# Altium PCB MotherBoard.PcbDoc (part 8 of 10) (continued)
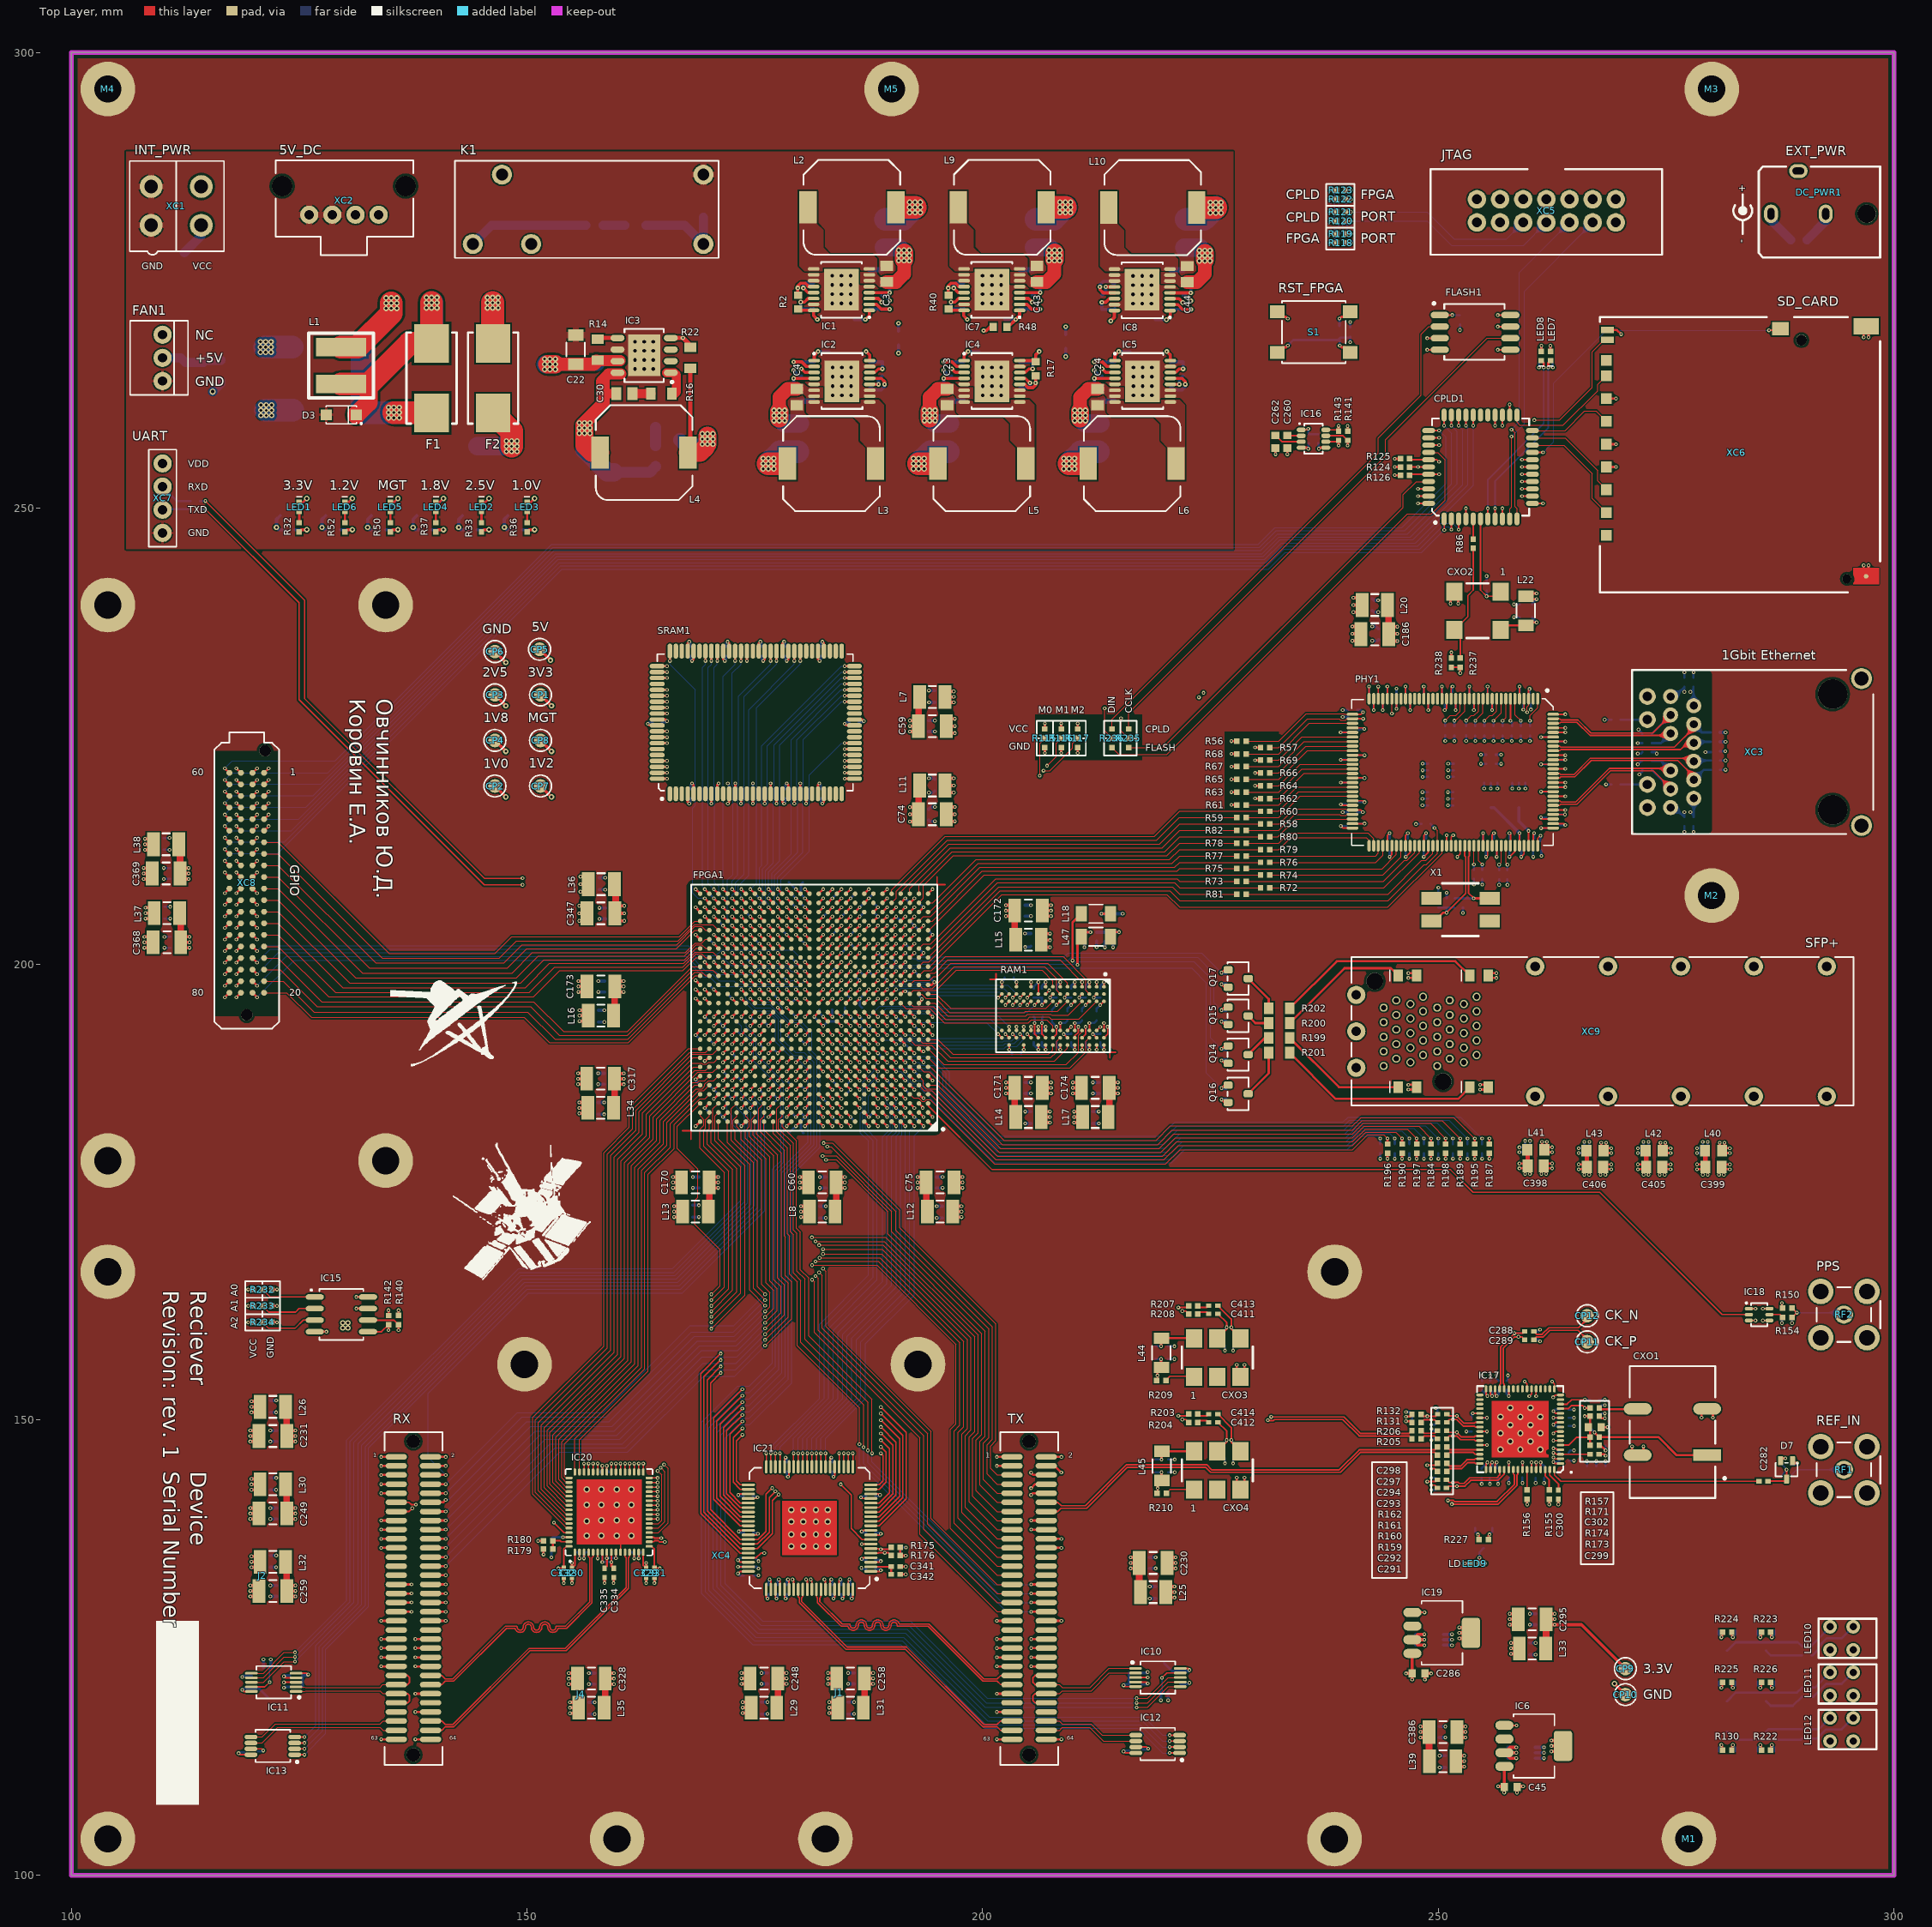
[diagram p0: Top Layer view]
## Nets (pads, with @x,y where several pads share a name; then routed paths per layer and width w, separated by ;. In a path a pad name is that pad's centre, name@x,y a point inside that pad or via, vN(x,y) a via of type N, cw(c..) or ccw(c..) an arc to the next point about the centre after c; other vN are vias at no path point) (continued)
NetPHY1_41: PHY1.41 R68.1 | length 13.1
  Top Layer w0.1: R68.1@228.908,223.05 232.5,223.05 235.85,226.4 PHY1.41@240.58,226.4
NetPHY1_44: PHY1.44 R69.1 | length 10.1
  Top Layer w0.1: R69.1@231.508,222.35 232.5,222.35 235.05,224.9 PHY1.44@240.58,224.9
NetPHY1_45: PHY1.45 R67.1 | length 12.8
  Top Layer w0.1: R67.1@228.908,221.65 232.5,221.65 235.25,224.4 PHY1.45@240.58,224.4
NetPHY1_46: PHY1.46 R66.1 | length 10.3
  Top Layer w0.1: R66.1@231.508,220.95 232.5,220.95 235.45,223.9 PHY1.46@240.58,223.9
NetPHY1_47: PHY1.47 R65.1 | length 13
  Top Layer w0.1: R65.1@228.908,220.25 232.5,220.25 235.65,223.4 PHY1.47@240.58,223.4
NetPHY1_50: PHY1.50 R64.1 | length 10
  Top Layer w0.1: R64.1@231.508,219.55 232.5,219.55 234.85,221.9 PHY1.50@240.58,221.9
NetPHY1_51: PHY1.51 R63.1 | length 12.7
  Top Layer w0.1: R63.1@228.908,218.85 232.5,218.85 235.05,221.4 PHY1.51@240.58,221.4
NetPHY1_52: PHY1.52 R62.1 | length 10.2
  Top Layer w0.1: R62.1@231.508,218.15 232.5,218.15 235.25,220.9 PHY1.52@240.58,220.9
NetPHY1_55: PHY1.55 R61.1 | length 12.5
  Top Layer w0.1: R61.1@228.908,217.45 232.5,217.45 234.45,219.4 PHY1.55@240.58,219.4
NetPHY1_56: PHY1.56 R60.1 | length 10
  Top Layer w0.1: R60.1@231.508,216.75 232.5,216.75 234.65,218.9 PHY1.56@240.58,218.9
NetPHY1_57: PHY1.57 R59.1 | length 12.6
  Top Layer w0.1: R59.1@228.908,216.05 232.5,216.05 234.85,218.4 PHY1.57@240.58,218.4
NetPHY1_60: PHY1.60 R54.2 R58.2 | length 11.6
  Top Layer w0.1: R58.2@231.508,215.35 232.5,215.35 ; 232.525,215.35 234.175,217 239.85,217 239.95,216.9 PHY1.60@240.58,216.9
  Top Layer w0.18: PHY1.60@240.58,216.9 241.458,216.9 v1(241.708,216.65)
  Bottom Layer w0.25: R54.2@241.108,216.65 v1(241.708,216.65)
NetPHY1_61: PHY1.61 R82.1 | length 12.5
  Top Layer w0.1: R82.1@228.908,214.65 232.5,214.65 234.25,216.4 239.15,216.4 239.25,216.3 239.875,216.3 239.975,216.4 PHY1.61@240.58,216.4
NetPHY1_62: PHY1.62 R80.1 | length 9.9
  Top Layer w0.1: R80.1@231.508,213.95 232.4,213.95 234.35,215.9 PHY1.62@240.58,215.9
NetPHY1_65: PHY1.65 R79.1 | length 12.1
  Top Layer w0.1: R79.1@231.508,212.55 232.5,212.55 233.8,213.85 242.1,213.85 242.4,213.55 PHY1.65@242.4,212.971
NetPHY1_66: PHY1.66 R78.1 | length 15.5
  Top Layer w0.1: R78.1@228.908,213.25 232.5,213.25 233.625,214.375 242.275,214.375 242.9,213.75 PHY1.66@242.9,212.971
NetPHY1_67: PHY1.67 R77.1 | length 15.4
  Top Layer w0.1: R77.1@228.908,211.85 243.1,211.85 243.4,212.15 PHY1.67@243.4,212.971
NetPHY1_68: PHY1.68 R76.1 | length 13.7
  Top Layer w0.1: R76.1@231.508,211.15 243.1,211.15 243.9,211.95 PHY1.68@243.9,212.971
NetPHY1_71: PHY1.71 R75.1 | length 18.1
  Top Layer w0.1: R75.1@228.908,210.45 228.933,210.425 243.82,210.425 245.4,212.005 PHY1.71@245.4,212.971
NetPHY1_72: PHY1.72 R74.1 | length 16.4
  Top Layer w0.1: R74.1@231.508,209.75 243.9,209.75 245.9,211.75 PHY1.72@245.9,212.971
NetPHY1_75: PHY1.75 R73.1 | length 20
  Top Layer w0.1: R73.1@228.908,209.05 243.95,209.05 246.25,211.35 246.55,211.35 247.4,212.2 PHY1.75@247.4,212.414
NetPHY1_76: PHY1.76 R72.1 | length 18.7
  Top Layer w0.1: R72.1@231.508,208.35 244.025,208.35 247.9,212.225 PHY1.76@247.9,212.971
NetPHY1_79: PHY1.79 R81.1 | length 23.2
  Top Layer w0.1: R81.1@228.908,207.65 244.475,207.65 248.175,211.35 248.625,211.35 249.4,212.125 PHY1.79@249.4,212.971
NetPHY1_88: PHY1.88 R97.2 | length 2.6
  Top Layer w0.1: v1(253.906,210.925) PHY1.88@253.906,212.965
  Bottom Layer w0.25: R97.2@253.906,210.325 v1(253.906,210.925)
NetPHY1_89: PHY1.89 R96.2 | length 2.8
  Top Layer w0.1: PHY1.89@254.4,212.971 254.406,212.965 254.406,211.325 v1(254.806,210.925)
  Bottom Layer w0.25: R96.2@254.806,210.325 v1(254.806,210.925)
NetPHY1_94: PHY1.94 R95.2 | length 2.8
  Top Layer w0.1: v1(256.675,210.891) 256.9,211.116 PHY1.94@256.9,212.971
  Bottom Layer w0.25: R95.2@256.675,210.291 v1(256.675,210.891)
NetPHY1_95: PHY1.95 R94.2 | length 2.8
  Top Layer w0.1: PHY1.95@257.4,212.971 257.4,211.066 v1(257.575,210.891)
  Bottom Layer w0.25: R94.2@257.575,210.291 v1(257.575,210.891)
NetPHY1_102: PHY1.102 R83.1 | length 1.8
  Top Layer w0.15: PHY1.102@260.9,212.971 260.9,213.779 v1(261.2,214.079)
  Bottom Layer w0.25: R83.1@261.2,213.479 v1(261.2,214.079)
NetQ7_3: Q7.3 R144.2 | length 8.6
  Bottom Layer w0.25: Q7.3@281.683,115.77 282.578,114.875 289.767,114.875 R144.2@289.892,115
NetQ8_3: Q8.3 R145.2 | length 4
  Bottom Layer w0.25: Q8.3@285.958,115.77 286.213,116.025 R145.2@289.892,116.025
NetQ9_3: Q9.3 R149.2 | length 4.1
  Bottom Layer w0.25: Q9.3@285.958,124.645 286.478,124.125 R149.2@289.892,124.125
NetQ10_3: Q10.3 R148.1 | length 8.8
  Bottom Layer w0.25: Q10.3@281.683,124.645 282.613,125.575 289.442,125.575 R148.1@289.892,125.125
NetQ11_3: Q11.3 R146.1 | length 8.8
  Bottom Layer w0.25: Q11.3@281.683,119.1 282.633,120.05 289.342,120.05 R146.1@289.892,120.6
NetQ12_3: Q12.3 R147.1 | length 4.6
  Bottom Layer w0.25: Q12.3@285.958,119.1 286.458,118.6 288.892,118.6 R147.1@289.892,119.6
NetQ14_3: Q14.3 R199.1 | length 3
  Top Layer w0.25: Q14.3@229.125,190.05 230.96,191.885 R199.1@231.375,191.885
NetQ15_3: Q15.3 R200.2 | length 2.6
  Top Layer w0.25: Q15.3@229.125,194.3 229.916,193.509 R200.2@231.375,193.509
NetQ16_3: Q16.3 R201.1 | length 5.4
  Top Layer w0.25: Q16.3@229.125,185.75 231.375,188 R201.1@231.375,190.26
NetQ17_3: Q17.3 R202.2 | length 4.2
  Top Layer w0.25: Q17.3@229.125,198.4 231.375,196.15 R202.2@231.375,195.134
NetR106_1: R106.1 XC3.15 | length 2.9
  Bottom Layer w0.1: XC3.15@272.933,219.7 XC3.15@272.939,219.694
  Bottom Layer w0.25: R106.1@270.008,219.7 XC3.15@272.933,219.7
NetR107_2: R107.2 XC3.14 | length 2.9
  Bottom Layer w0.1: XC3.14@272.933,226.8 XC3.14@272.939,226.806
  Bottom Layer w0.25: R107.2@270.008,226.8 XC3.14@272.933,226.8
NetR135_2: R135.2 XC7.2 | length 3.7
  Bottom Layer w0.25: XC7.2@110,252.37 111.57,250.8 R135.2@113.092,250.8
NetR136_2: R136.2 XC7.3 | length 3.1
  Bottom Layer w0.25: XC7.3@110,249.83 110.07,249.9 R136.2@113.092,249.9
NetR150_2: R150.2 R153.2 R154.2 RF2.1 | length 7.5
  Top Layer w0.15: R154.2@288.8,161.225 R154.2@288.831,161.225
  Top Layer w0.18: R150.2@288.8,162.225 288.847,162.225 v1(289.339,161.733) R154.2@288.831,161.225
  Bottom Layer w0.15: v1(289.339,161.733) 294.292,161.733 RF2.1@294.5,161.525
  Bottom Layer w0.18: R153.2@288.8,162.233 288.839,162.233 v1(289.339,161.733)
NetR151_2: R151.2 RF1.1 | length 6
  Bottom Layer w0.15: R151.2@288.708,143.9 289.308,144.5 RF1.1@294.5,144.5
NetR199_2: R199.2 XC9.INL_1 | length 14.1
  Top Layer w0.25: R199.2@233.675,191.885 239.085,186.475 XC9.INL_1@245.58,186.475
NetR200_1: R200.1 XC9.INR_1 | length 14.7
  Top Layer w0.25: R200.1@233.675,193.509 239.69,199.525 244.78,199.525 XC9.INR_1@245.58,198.725
NetR201_2: R201.2 XC9.OUTL_1 | length 22.4
  Top Layer w0.25: R201.2@233.675,190.26 238.735,185.2 252.165,185.2 XC9.OUTL_1@253.44,186.475
NetR202_1: R202.1 XC9.OUTR_1 | length 22.6
  Top Layer w0.25: R202.1@233.675,195.134 238.84,200.3 251.865,200.3 XC9.OUTR_1@253.44,198.725
NetR237_2: R237.2 R238.1 R239.2 | length 27.3
  Top Layer w0.18: R238.1@251.425,232.542 R237.2@252.4,232.542
  Top Layer w0.25: v1(252.4,231.925) R237.2@252.4,232.542
  Signal Layer 1 w0.18: v1(250,208.375) 250,211.15 252.4,213.55 252.4,214.4 v1(252.4,231.925)
  Bottom Layer w0.25: R239.2@250,207.208 v1(250,208.375)
PG1V0: IC2.3 Q3.1 R34.1 | length 48
  Top Layer w0.35: v4(180.1,265.3) 180.5,264.9 IC2.3@181.5,264.9
  Signal Layer 1 w0.15: v2(147.5,247.9) 147.5,250.7 149.15,252.35 160.659,252.35 175.709,267.4 179.1,267.4 180.1,266.4 v4(180.1,265.3)
  Bottom Layer w0.35: Q3.1@147.9,249.2 147.5,248.8 v2(147.5,247.9) 147.75,247.65 R34.1@148.492,247.65
PG1V2: IC7.3 Q6.1 R51.1 | length 95.7
  Top Layer w0.35: IC7.3@204.048,273.014 205.01,273.014 v4(205.41,272.614)
  Signal Layer 1 w0.15: v2(127.5,247.9) 127.5,250.7 130.95,254.15 159.886,254.15 174.936,269.2 199.42,269.2 199.831,268.789 204.089,268.789 205.41,270.11 v4(205.41,272.614)
  Bottom Layer w0.35: Q6.1@127.9,249.2 127.5,248.8 v2(127.5,247.9) 127.75,247.65 R51.1@128.492,247.65
PG1V8: IC5.3 Q4.1 R35.1 | length 91.8
  Top Layer w0.35: v4(213.1,265.3) 213.5,264.9 IC5.3@214.5,264.9
  Signal Layer 1 w0.15: v2(137.5,247.9) 137.5,250.7 140.05,253.25 160.286,253.25 175.336,268.3 199.047,268.3 199.458,267.889 211.711,267.889 213.1,266.5 v4(213.1,265.3)
  Bottom Layer w0.35: Q4.1@137.9,249.2 137.5,248.8 v2(137.5,247.9) 137.75,247.65 R35.1@138.492,247.65
PG2V5: IC4.3 Q2.1 R31.1 | length 69.9
  Top Layer w0.35: v4(196.6,265.3) 197,264.9 IC4.3@197.962,264.9
  Signal Layer 1 w0.15: v2(142.5,247.9) 142.5,250.7 144.6,252.8 160.473,252.8 175.523,267.85 195.25,267.85 196.6,266.5 v4(196.6,265.3)
  Bottom Layer w0.35: Q2.1@142.9,249.2 142.5,248.8 v2(142.5,247.9) 142.75,247.65 R31.1@143.492,247.65
PG3V3: IC1.3 Q1.1 R30.1 | length 83.8
  Top Layer w0.35: IC1.3@187.548,273.014 188.51,273.014 v4(188.91,272.614)
  Signal Layer 1 w0.15: v2(122.5,247.9) 122.5,250.7 126.4,254.6 159.7,254.6 174.75,269.65 188.35,269.65 188.91,270.21 v4(188.91,272.614)
  Bottom Layer w0.35: Q1.1@122.9,249.2 122.5,248.8 v2(122.5,247.9) 122.75,247.65 R30.1@123.492,247.65
PG3V3_MGT: IC8.3 Q5.1 R49.1 | length 107.2
  Top Layer w0.35: IC8.3@220.548,272.989 221.536,272.989 v4(221.948,272.577)
  Signal Layer 1 w0.15: v2(132.5,247.9) 132.5,250.7 135.5,253.7 160.1,253.7 175.15,268.75 199.233,268.75 199.644,268.339 220.139,268.339 221.948,270.148 v4(221.948,272.577)
  Bottom Layer w0.35: Q5.1@132.9,249.2 132.5,248.8 v2(132.5,247.9) 132.75,247.65 R49.1@133.492,247.65
PHY_CLK: C179.1 PHY1.86 R239.1 R240.1 X1.3 | length 12.7
  Top Layer w0.18: v1(250.9,205.625) 253,207.725 253,211.75 252.9,211.85 PHY1.86@252.9,212.971
  Top Layer w0.25: X1.3@249.225,204.7 249.625,204.7 250.55,205.625 v1(250.9,205.625)
  Bottom Layer w0.25: R239.1@250,206.192 250.892,206.192 C179.1@250.9,206.2 ; v1(250.9,205.625) C179.1@250.9,206.2 ; R240.1@251.792,206.2 C179.1@250.9,206.2
PHY_INTN: FPGA1.Y6 PHY1.3 R88.2 | length 90.6
  Top Layer w0.1: v1(259.738,227.611) 259.738,228.213 259.9,228.375 PHY1.3@259.9,229.1
  Top Layer w0.18: PHY1.3@259.9,229.1 259.9,230.075 v1(260,230.175)
  Top Layer w0.25: FPGA1.Y6@189,201.7 v1(189.5,202.2)
  Signal Layer 2 w0.1: v1(189.5,202.2) 188.85,202.85 188.85,207.045 195.255,213.45 209.175,213.45 225.375,229.65 258.325,229.65 259.738,228.237 v1(259.738,227.611)
  Bottom Layer w0.25: R88.2@260,229.558 v1(260,230.175)
PHY_RESET: FPGA1.Y5 PHY1.33 | length 73.5
  Top Layer w0.1: v1(244.9,227.475) PHY1.33@244.9,229.1
  Top Layer w0.25: FPGA1.Y5@190,201.7 v1(190.5,202.2)
  Signal Layer 2 w0.1: v1(190.5,202.2) 190.005,202.2 189.125,203.08 189.125,206.32 195.705,212.9 209.35,212.9 225.55,229.1 243.8,229.1 244.9,228 v1(244.9,227.475)
POR: CPLD1.42 FPGA1.R17 IC16.7 R141.1 | length 117.5
  Top Layer w0.18: IC16.7@237.65,257.95 237.65,257.957 239.535,257.957 R141.1@240.05,257.442 ; v1(247.771,252.125) CPLD1.42@248.925,252.125
  Top Layer w0.25: v1(177.5,197.2) FPGA1.R17@178,196.7 ; v1(240.05,256.875) R141.1@240.05,257.442
  Signal Layer 1 w0.1: v1(177.5,197.2) 177.5,197.695 179.125,199.32 179.125,208.32 185.93,215.125 213.293,215.125 246.95,248.782 246.95,251.304 v1(247.771,252.125) 248.55,252.904 248.55,254.775 246.85,256.475 240.45,256.475 v1(240.05,256.875)
PPS_IN: FPGA1.C1 IC18.2 | length 99.8
  Top Layer w0.15: FPGA1.C1@194,184.7 194,184.45 201.025,177.425 251.327,177.425 253.802,174.95 267.7,174.95 281.125,161.525 IC18.2@284.075,161.525
PROG_B: CPLD1.39 FPGA1.AE16 R124.2 | length 95.1
  Top Layer w0.18: R124.2@246.848,254.525 v1(247.771,254.525) CPLD1.39@248.925,254.525
  Top Layer w0.25: v1(178.5,207.2) FPGA1.AE16@179,206.7
  Signal Layer 1 w0.1: v1(178.5,207.2) 178.15,207.55 178.15,208.8 186.15,216.8 213.55,216.8 246.15,249.4 246.15,252.904 v1(247.771,254.525)
RAM_A00: FPGA1.AE17 SRAM1.37 | length 22.1
  Top Layer w0.25: v1(177.5,207.2) FPGA1.AE17@178,206.7 ; v1(184.85,224.225) SRAM1.37@185.925,224.225
  Bottom Layer w0.1: v1(177.5,207.2) 177.5,207.575 177.85,207.925 177.85,209.225 180.975,212.35 180.975,220.725 184.475,224.225 v1(184.85,224.225)
RAM_A01: FPGA1.AC17 SRAM1.36 | length 26.7
  Top Layer w0.25: v1(177.5,205.2) FPGA1.AC17@178,204.7 ; v1(184.85,223.575) SRAM1.36@185.925,223.575
  Signal Layer 2 w0.1: v1(177.5,205.2) 177.025,205.675 177.025,210.6 cw(c177.025,210.9) 177.025,211.2 ccw(c177.025,211.5) 177.025,211.8 cw(c177.025,212.1) 177.025,212.4 ccw(c177.025,212.7) 177.025,213 cw(c177.025,213.3) 177.025,213.6 ccw(c177.025,213.9) 177.025,214.2 cw(c177.025,214.5) 177.025,214.8 ccw(c177.025,215.1) 177.025,215.4 177.025,215.65 177.025,215.85 178.6,217.425 178.6,217.925 184.25,223.575 v1(184.85,223.575)
RAM_A02: FPGA1.AD26 SRAM1.100 | length 20
  Top Layer w0.25: SRAM1.100@164.275,220.325 v1(165.35,220.325) ; v1(168.5,206.2) FPGA1.AD26@169,205.7
  Signal Layer 1 w0.1: v1(165.35,220.325) 165.725,220.325 166.425,219.625 166.425,217.5 166.425,217.35 ccw(c166.425,217.05) 166.425,216.75 cw(c166.425,216.45) 166.425,216.15 ccw(c166.425,215.85) 166.425,215.55 cw(c166.425,215.25) 166.425,214.95 ccw(c166.425,214.65) 166.425,214.35 cw(c166.425,214.05) 166.425,213.75 166.425,213.15 169.125,210.45 169.125,206.825 v1(168.5,206.2)
RAM_A03: FPGA1.AD25 SRAM1.99 | length 20.8
  Top Layer w0.25: SRAM1.99@164.275,220.975 v1(165.35,220.975) ; v1(169.5,206.2) FPGA1.AD25@170,205.7
  Signal Layer 1 w0.1: v1(165.35,220.975) 165.725,220.975 167.425,219.275 167.425,217.45 167.425,217.35 ccw(c167.425,217.05) 167.425,216.75 cw(c167.425,216.45) 167.425,216.15 ccw(c167.425,215.85) 167.425,215.55 cw(c167.425,215.25) 167.425,214.95 ccw(c167.425,214.65) 167.425,214.35 cw(c167.425,214.05) 167.425,213.75 167.425,213.15 169.85,210.725 169.85,206.55 v1(169.5,206.2)
RAM_A04: FPGA1.AD21 SRAM1.83 | length 30.6
  Top Layer w0.25: SRAM1.83@164.275,231.375 v1(165.35,231.375) ; v1(173.5,206.2) FPGA1.AD21@174,205.7
  Signal Layer 2 w0.1: v1(165.35,231.375) 165.75,231.375 171.5,225.625 171.5,209.775 173.125,208.15 173.125,206.575 v1(173.5,206.2)
RAM_A05: FPGA1.AD20 SRAM1.82 | length 31.6
  Top Layer w0.25: SRAM1.82@164.275,232.025 v1(165.35,232.025) ; v1(174.5,206.2) FPGA1.AD20@175,205.7
  Signal Layer 2 w0.1: v1(165.35,232.025) 165.725,232.025 172.45,225.3 172.45,209.775 173.875,208.35 173.875,206.825 v1(174.5,206.2)
RAM_A06: FPGA1.AE20 SRAM1.81 | length 31.4
  Top Layer w0.25: SRAM1.81@164.275,232.675 v1(165.35,232.675) ; v1(174.5,207.2) FPGA1.AE20@175,206.7
  Signal Layer 2 w0.1: v1(165.35,232.675) 165.75,232.675 173.275,225.15 173.275,219.55 173.125,219.4 173.125,209.775 174.15,208.75 174.15,207.55 v1(174.5,207.2)
RAM_A07: FPGA1.AE25 SRAM1.80 | length 30.1
  Top Layer w0.25: v1(165.675,233.25) SRAM1.80@165.675,234.325 ; v1(169.5,207.2) FPGA1.AE25@170,206.7
  Bottom Layer w0.1: v1(165.675,233.25) 165.675,232.875 168.45,230.1 168.45,217.4 168.15,217.1 168.15,207.788 168.738,207.2 v1(169.5,207.2)
RAM_A08: FPGA1.AF19 SRAM1.50 | length 30.3
  Top Layer w0.25: v1(175.5,208.2) FPGA1.AF19@176,207.7 ; v1(184.85,232.675) SRAM1.50@185.925,232.675
  Bottom Layer w0.1: v1(175.5,208.2) 175.5,210.575 175.725,210.8 175.725,223.925 184.475,232.675 v1(184.85,232.675)
RAM_A09: FPGA1.AD19 SRAM1.49 | length 31.7
  Top Layer w0.25: v1(175.5,206.2) FPGA1.AD19@176,205.7 ; v1(184.85,232.025) SRAM1.49@185.925,232.025
  Bottom Layer w0.1: v1(175.5,206.2) 175.5,206.575 175.85,206.925 175.85,210.425 176.425,211 176.425,217.745 176.375,217.795 176.375,223.925 184.475,232.025 v1(184.85,232.025)
RAM_A10: FPGA1.AD18 SRAM1.48 | length 30.9
  Top Layer w0.25: v1(176.5,206.2) FPGA1.AD18@177,205.7 ; v1(184.85,231.375) SRAM1.48@185.925,231.375
  Bottom Layer w0.1: v1(176.5,206.2) 176.5,206.575 176.15,206.925 176.15,210.225 177.025,211.1 177.025,217.745 177.109,217.829 177.109,224.034 184.45,231.375 v1(184.85,231.375)
RAM_A11: FPGA1.AF18 SRAM1.47 | length 28
  Top Layer w0.25: v1(176.5,208.2) FPGA1.AF18@177,207.7 ; v1(184.85,230.725) SRAM1.47@185.925,230.725
  Bottom Layer w0.1: v1(176.5,208.2) 176.5,210.075 177.725,211.3 177.725,224 184.45,230.725 v1(184.85,230.725)
RAM_A12: FPGA1.AE18 SRAM1.46 | length 28.4
  Top Layer w0.25: v1(176.5,207.2) FPGA1.AE18@177,206.7 ; v1(184.85,230.075) SRAM1.46@185.925,230.075
  Bottom Layer w0.1: v1(176.5,207.2) 176.5,207.6 176.875,207.975 176.875,209.95 178.975,212.05 178.975,224.6 184.45,230.075 v1(184.85,230.075)
RAM_A13: FPGA1.AD17 SRAM1.45 | length 28.6
  Top Layer w0.25: v1(177.5,206.2) FPGA1.AD17@178,205.7 ; v1(184.85,229.425) SRAM1.45@185.925,229.425
  Bottom Layer w0.1: v1(177.5,206.2) 177.5,206.5 177.15,206.85 177.15,209.725 179.675,212.25 179.675,219.555 179.625,219.605 179.625,224.575 184.475,229.425 v1(184.85,229.425)
RAM_A14: FPGA1.AF17 SRAM1.44 | length 25.6
  Top Layer w0.25: v1(177.5,208.2) FPGA1.AF17@178,207.7 ; v1(184.85,228.775) SRAM1.44@185.925,228.775
  Bottom Layer w0.1: v1(177.5,208.2) 177.5,209.5 180.275,212.275 180.275,219.555 180.325,219.605 180.325,224.625 184.475,228.775 v1(184.85,228.775)
RAM_A15: FPGA1.AB17 SRAM1.35 | length 26.7
  Top Layer w0.25: v1(177.5,204.2) FPGA1.AB17@178,203.7 ; v1(184.85,222.925) SRAM1.35@185.925,222.925
  Signal Layer 2 w0.1: v1(177.5,204.2) 177.5,204.6 177.85,204.95 177.85,210.6 cw(c177.85,210.9) 177.85,211.2 ccw(c177.85,211.5) 177.85,211.8 cw(c177.85,212.1) 177.85,212.4 ccw(c177.85,212.7) 177.85,213 cw(c177.85,213.3) 177.85,213.6 ccw(c177.85,213.9) 177.85,214.2 cw(c177.85,214.5) 177.85,214.8 ccw(c177.85,215.1) 177.85,215.4 177.85,215.625 177.85,216 178.975,217.125 178.975,217.745 184.155,222.925 v1(184.85,222.925)
RAM_A16: FPGA1.AB16 SRAM1.34 | length 26
  Top Layer w0.25: v1(178.5,204.2) FPGA1.AB16@179,203.7 ; v1(184.85,222.275) SRAM1.34@185.925,222.275
  Signal Layer 2 w0.1: v1(178.5,204.2) 178.5,204.6 178.125,204.975 178.125,208.925 178.575,209.375 178.575,210.6 cw(c178.575,210.9) 178.575,211.2 ccw(c178.575,211.5) 178.575,211.8 cw(c178.575,212.1) 178.575,212.4 ccw(c178.575,212.7) 178.575,213 cw(c178.575,213.3) 178.575,213.6 ccw(c178.575,213.9) 178.575,214.2 cw(c178.575,214.5) 178.575,214.8 ccw(c178.575,215.1) 178.575,215.4 178.575,215.575 178.575,216 179.725,217.15 179.725,217.945 184.055,222.275 v1(184.85,222.275)
RAM_A17: FPGA1.AC16 SRAM1.33 | length 24
  Top Layer w0.25: v1(178.5,205.2) FPGA1.AC16@179,204.7 ; v1(184.85,221.625) SRAM1.33@185.925,221.625
  Signal Layer 2 w0.1: v1(178.5,205.2) 178.875,205.575 178.875,208.925 179.4,209.45 179.4,210.6 cw(c179.4,210.9) 179.4,211.2 ccw(c179.4,211.5) 179.4,211.8 cw(c179.4,212.1) 179.4,212.4 ccw(c179.4,212.7) 179.4,213 cw(c179.4,213.3) 179.4,213.6 ccw(c179.4,213.9) 179.4,214.2 cw(c179.4,214.5) 179.4,214.8 ccw(c179.4,215.1) 179.4,215.4 179.4,215.55 179.4,216.025 180.25,216.875 180.25,217.72 181.905,219.375 182.145,219.375 184.395,221.625 v1(184.85,221.625)
RAM_A18: FPGA1.AA15 SRAM1.32 | length 25.1
  Top Layer w0.25: v1(179.5,203.2) FPGA1.AA15@180,202.7 ; v1(184.85,220.975) SRAM1.32@185.925,220.975
  Signal Layer 2 w0.1: v1(179.5,203.2) 179.125,203.575 179.125,208.525 180.175,209.575 180.175,210.6 cw(c180.175,210.9) 180.175,211.2 ccw(c180.175,211.5) 180.175,211.8 cw(c180.175,212.1) 180.175,212.4 ccw(c180.175,212.7) 180.175,213 cw(c180.175,213.3) 180.175,213.6 ccw(c180.175,213.9) 180.175,214.2 cw(c180.175,214.5) 180.175,214.8 ccw(c180.175,215.1) 180.175,215.4 180.175,215.6 180.175,216.025 181,216.85 181,217.575 184.4,220.975 v1(184.85,220.975)
RAM_CE1N: FPGA1.AB21 SRAM1.98 | length 23.5
  Top Layer w0.25: SRAM1.98@164.275,221.625 v1(165.35,221.625) ; v1(173.5,204.2) FPGA1.AB21@174,203.7
  Signal Layer 1 w0.1: v1(165.35,221.625) 165.73,221.625 168.475,218.88 168.475,215.475 168.475,214.95 ccw(c168.475,214.65) 168.475,214.35 cw(c168.475,214.05) 168.475,213.75 168.475,213.15 173.15,208.475 173.15,204.55 v1(173.5,204.2)
RAM_CENN: FPGA1.AD23 SRAM1.87 | length 27.1
  Top Layer w0.25: SRAM1.87@164.275,228.775 v1(165.35,228.775) ; v1(171.5,206.2) FPGA1.AD23@172,205.7
  Signal Layer 2 w0.1: v1(165.35,228.775) 165.75,228.775 169.25,225.275 169.25,208.945 171.5,206.695 v1(171.5,206.2)
RAM_CLK: FPGA1.AD24 SRAM1.89 | length 29.5
  Top Layer w0.25: SRAM1.89@164.275,227.475 v1(165.35,227.475) ; v1(170.5,206.2) FPGA1.AD24@171,205.7
  Signal Layer 2 w0.15: v1(165.35,227.475) 165.725,227.475 167.425,225.775 167.425,216.975 167.425,216.425 ccw(c167.425,216.1) 167.425,215.775 cw(c167.425,215.45) 167.425,215.125 ccw(c167.425,214.8) 167.425,214.475 cw(c167.425,214.15) 167.425,213.825 ccw(c167.425,213.5) 167.425,213.175 cw(c167.425,212.85) 167.425,212.525 ccw(c167.425,212.2) 167.425,211.875 cw(c167.425,211.55) 167.425,211.225 ccw(c167.425,210.9) 167.425,210.575 cw(c167.425,210.25) 167.425,209.925 167.425,209.275 167.425,208.6 169.325,206.7 170,206.7 v1(170.5,206.2)
RAM_D00: FPGA1.AF20 SRAM1.58 | length 29.1
  Top Layer w0.25: v1(174.5,208.2) FPGA1.AF20@175,207.7 ; v1(179.975,233.25) SRAM1.58@179.975,234.325
  Bottom Layer w0.1: v1(174.5,208.2) 175.175,208.875 175.175,228.1 179.975,232.9 v1(179.975,233.25)
RAM_D01: FPGA1.AE21 SRAM1.59 | length 30.5
  Top Layer w0.25: v1(173.5,207.2) FPGA1.AE21@174,206.7 ; v1(179.325,233.25) SRAM1.59@179.325,234.325
  Bottom Layer w0.1: v1(173.5,207.2) 173.5,207.55 173.15,207.9 173.15,208.55 174.325,209.725 174.325,227.9 179.325,232.9 v1(179.325,233.25)
RAM_D02: FPGA1.AE22 SRAM1.62 | length 29.9
  Top Layer w0.25: v1(172.5,207.2) FPGA1.AE22@173,206.7 ; v1(177.375,233.25) SRAM1.62@177.375,234.325
  Bottom Layer w0.1: v1(172.5,207.2) 172.5,207.55 172.875,207.925 172.875,208.9 173.825,209.85 173.825,229.35 177.375,232.9 v1(177.375,233.25)
RAM_D03: FPGA1.AF22 SRAM1.63 | length 28.6
  Top Layer w0.25: v1(172.5,208.2) FPGA1.AF22@173,207.7 ; v1(176.725,233.25) SRAM1.63@176.725,234.325
  Bottom Layer w0.1: v1(172.5,208.2) 172.5,209.125 173.125,209.75 173.125,219.557 173.208,219.641 173.208,229.383 176.725,232.9 v1(176.725,233.25)
RAM_D04: FPGA1.AB22 SRAM1.68 | length 31.7
  Top Layer w0.25: v1(172.5,204.2) FPGA1.AB22@173,203.7 ; v1(173.475,233.25) SRAM1.68@173.475,234.325
  Bottom Layer w0.1: v1(172.5,204.2) 172,204.7 172,209.25 172.575,209.825 172.575,219.574 172.5,219.649 172.5,231.9 173.475,232.875 v1(173.475,233.25)
RAM_D05: FPGA1.AF23 SRAM1.69 | length 27.4
  Top Layer w0.25: v1(171.5,208.2) FPGA1.AF23@172,207.7 ; v1(172.825,233.25) SRAM1.69@172.825,234.325
  Bottom Layer w0.1: v1(171.5,208.2) 171.5,231.55 172.825,232.875 v1(172.825,233.25)
RAM_D06: FPGA1.AE23 SRAM1.72 | length 28.4
  Top Layer w0.25: v1(170.875,233.25) SRAM1.72@170.875,234.325 ; v1(171.5,207.2) FPGA1.AE23@172,206.7
  Bottom Layer w0.1: v1(170.875,233.25) 170.875,232.875 170.525,232.525 170.525,219.605 170.575,219.555 170.575,208.925 171.025,208.475 171.025,207.675 v1(171.5,207.2)
RAM_D07: FPGA1.AF24 SRAM1.73 | length 27.2
  Top Layer w0.25: v1(170.225,233.25) SRAM1.73@170.225,234.325 ; v1(170.5,208.2) FPGA1.AF24@171,207.7
  Bottom Layer w0.1: v1(170.225,233.25) 170.225,232.875 169.875,232.525 169.875,208.825 v1(170.5,208.2)
RAM_D08: FPGA1.AF25 SRAM1.74 | length 27.1
  Top Layer w0.25: v1(169.5,208.2) FPGA1.AF25@170,207.7 ; v1(169.575,233.25) SRAM1.74@169.575,234.325
  Bottom Layer w0.1: v1(169.5,208.2) 169.25,208.45 169.25,232.55 169.575,232.875 v1(169.575,233.25)
RAM_D09: FPGA1.AA20 SRAM1.8 | length 20.4
  Top Layer w0.25: v1(170.225,217.6) SRAM1.8@170.225,218.675 ; v1(174.5,203.2) FPGA1.AA20@175,202.7
  Signal Layer 1 w0.1: v1(170.225,217.6) 170.225,217.525 170.225,216.925 cw(c170.225,216.625) 170.225,216.325 ccw(c170.225,216.025) 170.225,215.725 cw(c170.225,215.425) 170.225,215.125 ccw(c170.225,214.825) 170.225,214.525 cw(c170.225,214.225) 170.225,213.925 ccw(c170.225,213.625) 170.225,213.325 cw(c170.225,213.025) 170.225,212.725 170.225,212.125 173.875,208.475 173.875,203.825 v1(174.5,203.2)
RAM_D10: FPGA1.AB20 SRAM1.9 | length 21.7
  Top Layer w0.25: SRAM1.9@170.875,218.675 170.875,219.65 v1(171.025,219.8) ; v1(174.5,204.2) FPGA1.AB20@175,203.7
  Signal Layer 1 w0.1: v1(171.025,219.8) 171.325,219.5 171.325,217 171.325,216.925 cw(c171.325,216.625) 171.325,216.325 ccw(c171.325,216.025) 171.325,215.725 cw(c171.325,215.425) 171.325,215.125 ccw(c171.325,214.825) 171.325,214.525 cw(c171.325,214.225) 171.325,213.925 ccw(c171.325,213.625) 171.325,213.325 cw(c171.325,213.025) 171.325,212.725 ccw(c171.325,212.425) 171.325,212.125 171.325,211.625 174.125,208.825 174.125,204.575 v1(174.5,204.2)
RAM_D11: FPGA1.AA19 SRAM1.12 | length 22.6
  Top Layer w0.25: SRAM1.12@172.825,218.675 172.858,218.708 172.85,218.717 v1(172.85,219.8) ; v1(175.5,203.2) FPGA1.AA19@176,202.7
  Signal Layer 1 w0.1: v1(172.85,219.8) 172.85,217.642 172.858,217.633 172.425,217.2 172.425,217 172.425,216.925 cw(c172.425,216.625) 172.425,216.325 ccw(c172.425,216.025) 172.425,215.725 cw(c172.425,215.425) 172.425,215.125 ccw(c172.425,214.825) 172.425,214.525 cw(c172.425,214.225) 172.425,213.925 ccw(c172.425,213.625) 172.425,213.325 cw(c172.425,213.025) 172.425,212.725 ccw(c172.425,212.425) 172.425,212.125 172.425,211.125 174.9,208.65 174.9,203.8 v1(175.5,203.2)
RAM_D12: FPGA1.AB19 SRAM1.13 | length 18.8
  Top Layer w0.25: v1(173.475,217.6) SRAM1.13@173.475,218.675 ; v1(175.5,204.2) FPGA1.AB19@176,203.7
  Signal Layer 1 w0.1: v1(173.475,217.6) 173.475,217 173.475,216.925 cw(c173.475,216.625) 173.475,216.325 ccw(c173.475,216.025) 173.475,215.725 cw(c173.475,215.425) 173.475,215.125 ccw(c173.475,214.825) 173.475,214.525 cw(c173.475,214.225) 173.475,213.925 ccw(c173.475,213.625) 173.475,213.325 cw(c173.475,213.025) 173.475,212.725 ccw(c173.475,212.425) 173.475,212.125 173.475,210.7 175.1,209.075 175.1,204.6 v1(175.5,204.2)
RAM_D13: FPGA1.AC19 SRAM1.18 | length 19.9
  Top Layer w0.25: v1(175.5,205.2) FPGA1.AC19@176,204.7 ; SRAM1.18@176.725,218.742 v1(176.725,219.8)
  Signal Layer 1 w0.1: v1(175.5,205.2) 175.875,205.575 175.875,208.45 175.525,208.8 175.525,212.125 cw(c175.525,212.425) 175.525,212.725 ccw(c175.525,213.025) 175.525,213.325 cw(c175.525,213.625) 175.525,213.925 ccw(c175.525,214.225) 175.525,214.525 cw(c175.525,214.825) 175.525,215.125 ccw(c175.525,215.425) 175.525,215.725 cw(c175.525,216.025) 175.525,216.325 ccw(c175.525,216.625) 175.525,216.925 175.525,216.975 175.525,218.6 v1(176.725,219.8)
RAM_D14: FPGA1.AA18 SRAM1.19 | length 19.6
  Top Layer w0.25: v1(176.5,203.2) FPGA1.AA18@177,202.7 ; v1(177.375,217.6) SRAM1.19@177.375,218.675
  Signal Layer 1 w0.1: v1(176.5,203.2) 176.125,203.575 176.125,208.45 176.475,208.8 176.475,209.8 177.375,210.7 177.375,212.125 cw(c177.375,212.425) 177.375,212.725 ccw(c177.375,213.025) 177.375,213.325 cw(c177.375,213.625) 177.375,213.925 ccw(c177.375,214.225) 177.375,214.525 cw(c177.375,214.825) 177.375,215.125 ccw(c177.375,215.425) 177.375,215.725 cw(c177.375,216.025) 177.375,216.325 ccw(c177.375,216.625) 177.375,216.925 177.375,217.15 v1(177.375,217.6)
RAM_D15: FPGA1.Y18 SRAM1.22 | length 20.7
  Top Layer w0.25: v1(176.5,202.2) FPGA1.Y18@177,201.7 ; v1(179.325,217.6) SRAM1.22@179.325,218.675
  Signal Layer 1 w0.1: v1(176.5,202.2) 176.875,202.575 176.875,209.6 178.425,211.15 178.425,212.125 cw(c178.425,212.425) 178.425,212.725 ccw(c178.425,213.025) 178.425,213.325 cw(c178.425,213.625) 178.425,213.925 ccw(c178.425,214.225) 178.425,214.525 cw(c178.425,214.825) 178.425,215.125 ccw(c178.425,215.425) 178.425,215.725 cw(c178.425,216.025) 178.425,216.325 178.425,216.7 v1(179.325,217.6)
RAM_D16: FPGA1.AA17 SRAM1.23 | length 22.1
  Top Layer w0.25: v1(177.5,203.2) FPGA1.AA17@178,202.7 ; SRAM1.23@179.975,218.675 v1(179.975,219.8)
  Signal Layer 1 w0.1: v1(177.5,203.2) 177.15,203.55 177.15,209.225 179.475,211.55 179.475,212.125 cw(c179.475,212.425) 179.475,212.725 ccw(c179.475,213.025) 179.475,213.325 cw(c179.475,213.625) 179.475,213.925 ccw(c179.475,214.225) 179.475,214.525 cw(c179.475,214.825) 179.475,215.125 ccw(c179.475,215.425) 179.475,215.725 cw(c179.475,216.025) 179.475,216.325 179.475,216.7 179.975,217.2 v1(179.975,219.8)